# KiCad board ECU.kicad_pcb (continued)
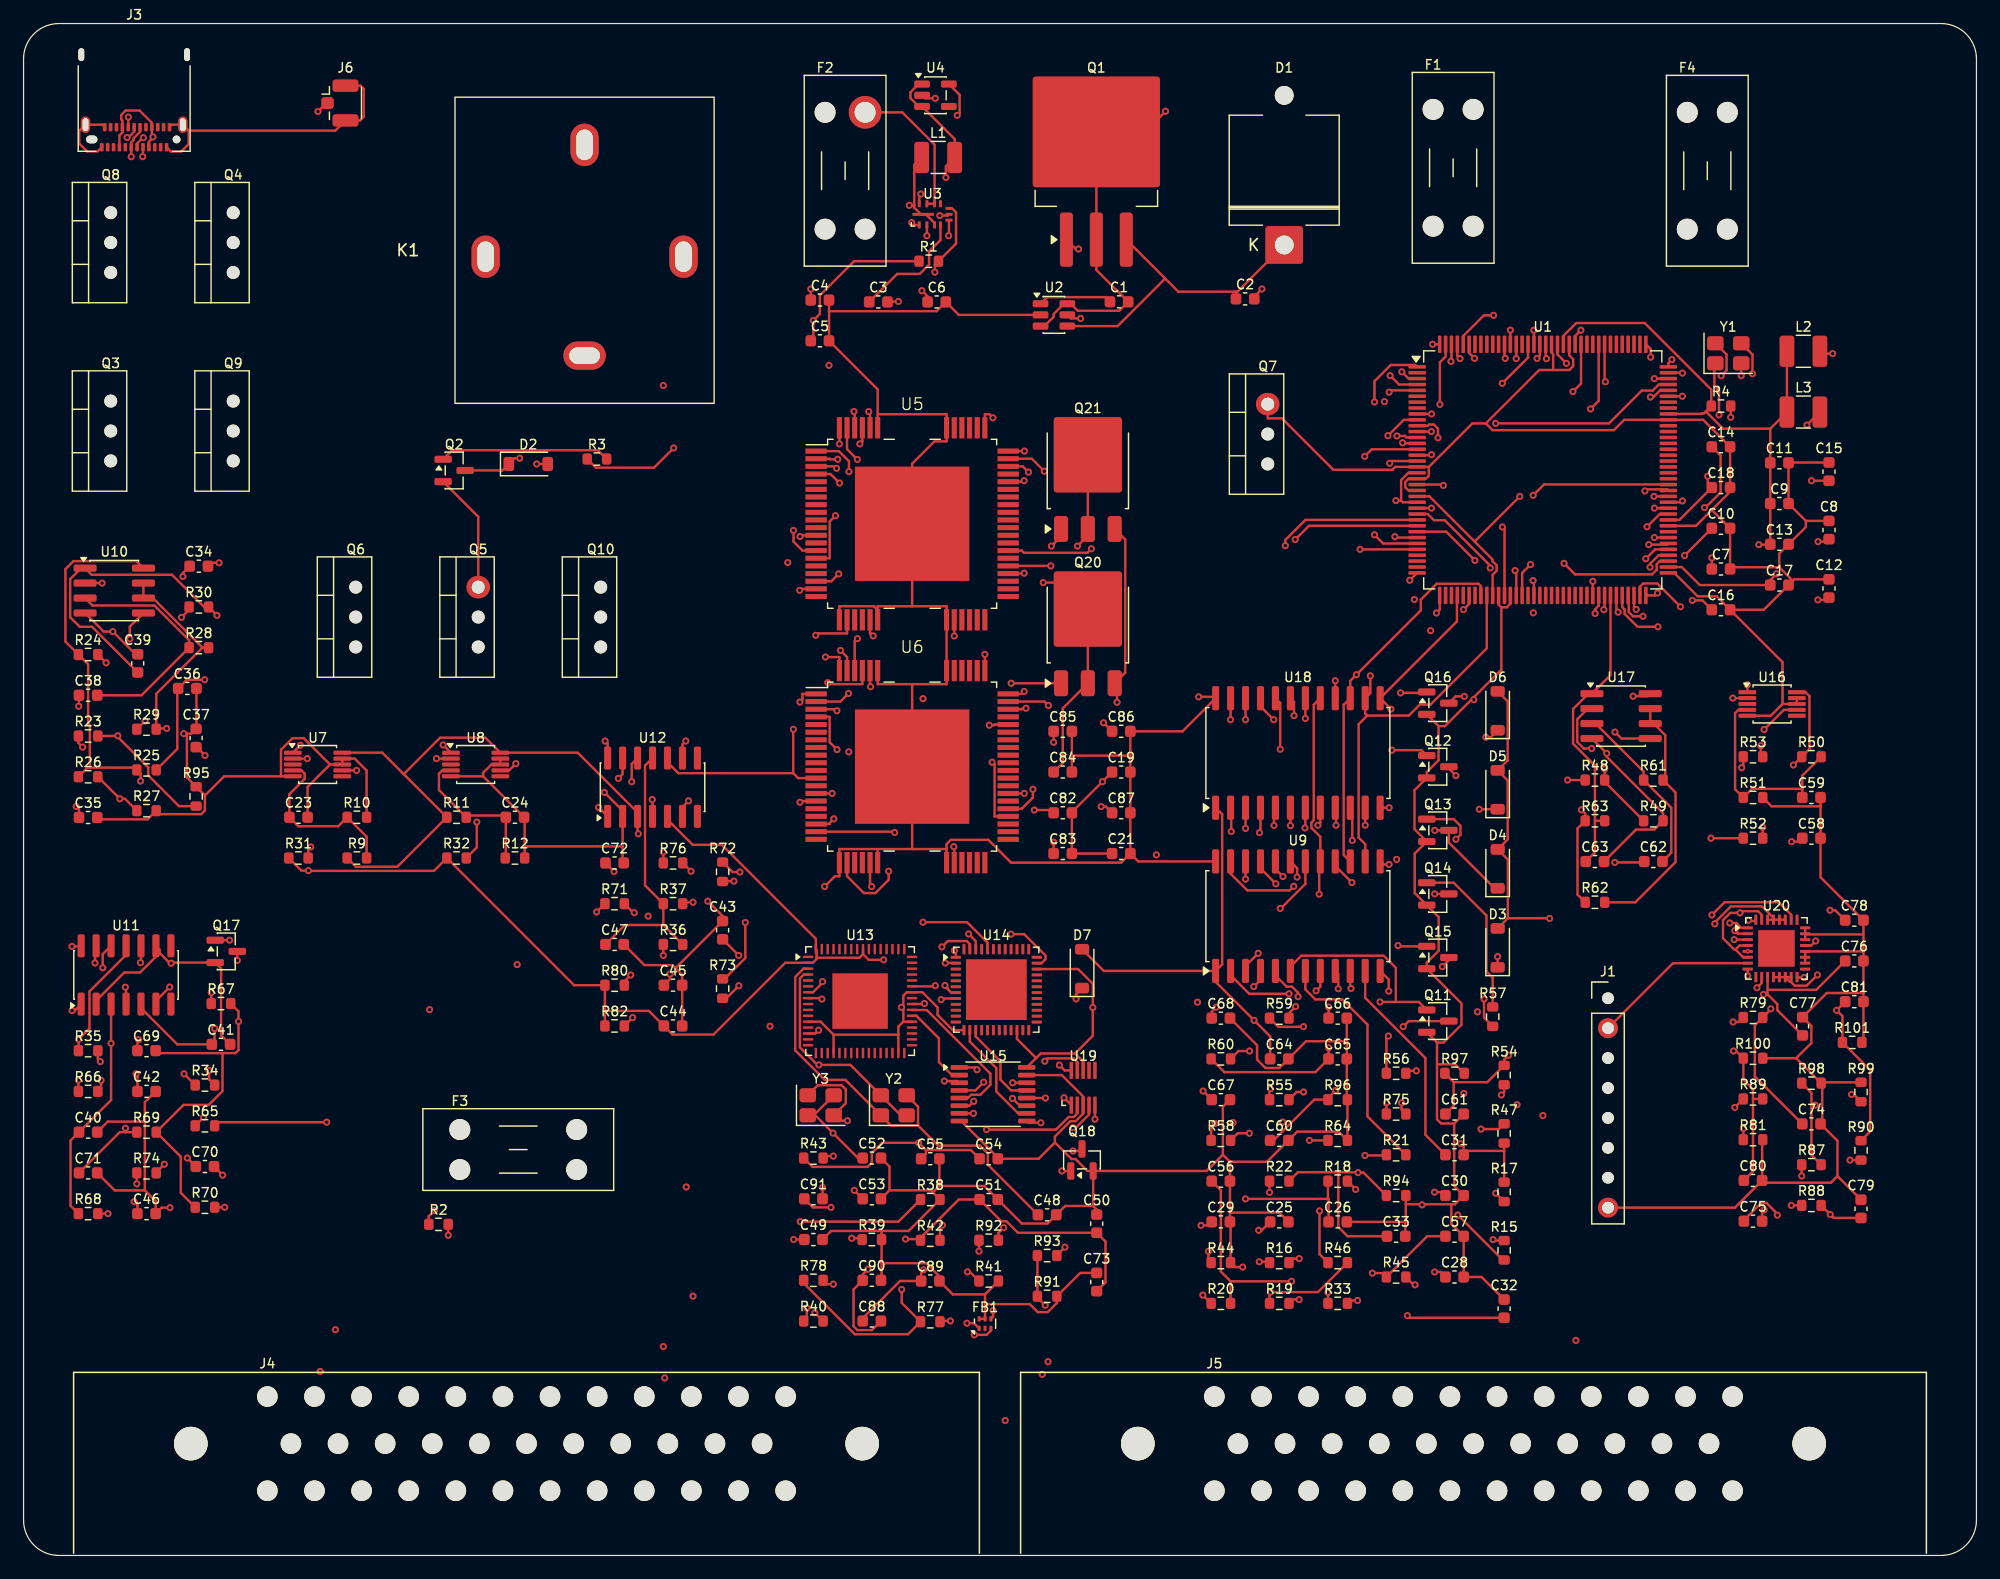
[diagram p0: board, top side]
## Footprints (pads in the part's own frame, mm; a bottom-side part is the same pattern mirrored in y, then rotated)
Balun_Johanson_1.6x0.8mm
  rrect 0.45x0.25 smd: 1(-0.41,0.5) 2(-0.41,0) 3(-0.41,-0.5) 4(0.41,-0.5) 5(0.41,0) 6(0.41,0.5)
C_0603_1608Metric
  rrect 0.9x0.95 smd: 1(-0.775,0) 2(0.775,0)
Crystal_SMD_3225-4Pin_3.2x2.5mm
  rrect 1.4x1.2 smd: 1(-1.1,-0.85) 2(1.1,-0.85) 3(1.1,0.85) 4(-1.1,0.85)
D_P600_R-6_P12.70mm_Horizontal
  rrect 3.2x3.2 hole 1.6: 1(0,0)
  round 3.2 hole 1.6: 2(12.7,0)
D_SOD-123
  rrect 0.9x1.2 smd: 1(-1.65,0) 2(1.65,0)
Fuseholder_Blade_Mini_Keystone_3568
  round 2.78 hole 1.78: 1(0,0) 1(0,-3.4) 2(9.92,0) 2(9.92,-3.4)
L9779WD-SPI
  rect 1.803x0.432 smd: 1(-8.153,6.175) 2(-8.153,5.525) 3(-8.153,4.875) 4(-8.153,4.225) 5(-8.153,3.575) 6(-8.153,2.925) 7(-8.153,2.275) 8(-8.153,1.625) 9(-8.153,0.975) 10(-8.153,0.325) 11(-8.153,-0.325) 12(-8.153,-0.975) 13(-8.153,-1.625) 14(-8.153,-2.275) 15(-8.153,-2.925) 16(-8.153,-3.575) 17(-8.153,-4.225) 18(-8.153,-4.875) 19(-8.153,-5.525) 20(-8.153,-6.175) 33(8.153,-6.175) 34(8.153,-5.525) 35(8.153,-4.875) 36(8.153,-4.225) 37(8.153,-3.575) 38(8.153,-2.925) 39(8.153,-2.275) 40(8.153,-1.625) 41(8.153,-0.975) 42(8.153,-0.325) 43(8.153,0.325) 44(8.153,0.975) 45(8.153,1.625) 46(8.153,2.275) 47(8.153,2.925) 48(8.153,3.575) 49(8.153,4.225) 50(8.153,4.875) 51(8.153,5.525) 52(8.153,6.175)
  rect 0.432x1.803 smd: 21(-6.175,-8.153) 22(-5.525,-8.153) 23(-4.875,-8.153) 24(-4.225,-8.153) 25(-3.575,-8.153) 26(-2.925,-8.153) 27(2.925,-8.153) 28(3.575,-8.153) 29(4.225,-8.153) 30(4.875,-8.153) 31(5.525,-8.153) 32(6.175,-8.153) 53(6.175,8.153) 54(5.525,8.153) 55(4.875,8.153) 56(4.225,8.153) 57(3.575,8.153) 58(2.925,8.153) 59(-2.925,8.153) 60(-3.575,8.153) 61(-4.225,8.153) 62(-4.875,8.153) 63(-5.525,8.153) 64(-6.175,8.153)
  rect 9.703x9.703 smd: EPAD(0,0)
L_1210_3225Metric
  rrect 1.25x2.65 smd: 1(-1.4,0) 2(1.4,0)
LQFP-144_20x20mm_P0.5mm
  rrect 1.475x0.3 smd: 1(-10.662,8.75) 2(-10.662,8.25) 3(-10.662,7.75) 4(-10.662,7.25) 5(-10.662,6.75) 6(-10.662,6.25) 7(-10.662,5.75) 8(-10.662,5.25) 9(-10.662,4.75) 10(-10.662,4.25) 11(-10.662,3.75) 12(-10.662,3.25) 13(-10.662,2.75) 14(-10.662,2.25) 15(-10.662,1.75) 16(-10.662,1.25) 17(-10.662,0.75) 18(-10.662,0.25) 19(-10.662,-0.25) 20(-10.662,-0.75) 21(-10.662,-1.25) 22(-10.662,-1.75) 23(-10.662,-2.25) 24(-10.662,-2.75) 25(-10.662,-3.25) 26(-10.662,-3.75) 27(-10.662,-4.25) 28(-10.662,-4.75) 29(-10.662,-5.25) 30(-10.662,-5.75) 31(-10.662,-6.25) 32(-10.662,-6.75) 33(-10.662,-7.25) 34(-10.662,-7.75) 35(-10.662,-8.25) 36(-10.662,-8.75) 73(10.662,-8.75) 74(10.662,-8.25) 75(10.662,-7.75) 76(10.662,-7.25) 77(10.662,-6.75) 78(10.662,-6.25) 79(10.662,-5.75) 80(10.662,-5.25) 81(10.662,-4.75) 82(10.662,-4.25) 83(10.662,-3.75) 84(10.662,-3.25) 85(10.662,-2.75) 86(10.662,-2.25) 87(10.662,-1.75) 88(10.662,-1.25) 89(10.662,-0.75) 90(10.662,-0.25) 91(10.662,0.25) 92(10.662,0.75) 93(10.662,1.25) 94(10.662,1.75) 95(10.662,2.25) 96(10.662,2.75) 97(10.662,3.25) 98(10.662,3.75) 99(10.662,4.25) 100(10.662,4.75) 101(10.662,5.25) 102(10.662,5.75) 103(10.662,6.25) 104(10.662,6.75) 105(10.662,7.25) 106(10.662,7.75) 107(10.662,8.25) 108(10.662,8.75)
  rrect 0.3x1.475 smd: 37(-8.75,-10.662) 38(-8.25,-10.662) 39(-7.75,-10.662) 40(-7.25,-10.662) 41(-6.75,-10.662) 42(-6.25,-10.662) 43(-5.75,-10.662) 44(-5.25,-10.662) 45(-4.75,-10.662) 46(-4.25,-10.662) 47(-3.75,-10.662) 48(-3.25,-10.662) 49(-2.75,-10.662) 50(-2.25,-10.662) 51(-1.75,-10.662) 52(-1.25,-10.662) 53(-0.75,-10.662) 54(-0.25,-10.662) 55(0.25,-10.662) 56(0.75,-10.662) 57(1.25,-10.662) 58(1.75,-10.662) 59(2.25,-10.662) 60(2.75,-10.662) 61(3.25,-10.662) 62(3.75,-10.662) 63(4.25,-10.662) 64(4.75,-10.662) 65(5.25,-10.662) 66(5.75,-10.662) 67(6.25,-10.662) 68(6.75,-10.662) 69(7.25,-10.662) 70(7.75,-10.662) 71(8.25,-10.662) 72(8.75,-10.662) 109(8.75,10.662) 110(8.25,10.662) 111(7.75,10.662) 112(7.25,10.662) 113(6.75,10.662) 114(6.25,10.662) 115(5.75,10.662) 116(5.25,10.662) 117(4.75,10.662) 118(4.25,10.662) 119(3.75,10.662) 120(3.25,10.662) 121(2.75,10.662) 122(2.25,10.662) 123(1.75,10.662) 124(1.25,10.662) 125(0.75,10.662) 126(0.25,10.662) 127(-0.25,10.662) 128(-0.75,10.662) 129(-1.25,10.662) 130(-1.75,10.662) 131(-2.25,10.662) 132(-2.75,10.662) 133(-3.25,10.662) 134(-3.75,10.662) 135(-4.25,10.662) 136(-4.75,10.662) 137(-5.25,10.662) 138(-5.75,10.662) 139(-6.25,10.662) 140(-6.75,10.662) 141(-7.25,10.662) 142(-7.75,10.662) 143(-8.25,10.662) 144(-8.75,10.662)
MSOP-10_3x3mm_P0.5mm
  rrect 1.5x0.35 smd: 1(-2.1,1) 2(-2.1,0.5) 3(-2.1,0) 4(-2.1,-0.5) 5(-2.1,-1) 6(2.1,-1) 7(2.1,-0.5) 8(2.1,0) 9(2.1,0.5) 10(2.1,1)
Panasonic_CB1a-T-P_Relay_40A
  oval 3.6x2.4 hole 2.6x1.4: 30(8.95,0) 85(-0.55,-8.4) 86(-0.55,8.4)
  oval 2.4x3.6 hole 1.4x2.6: 87(-8.95,0)
PinHeader_1x08_P2.54mm_Vertical
  rect 1.7x1.7 hole 1: 1(0,0)
  round 1.7 hole 1: 2(0,-2.54) 3(0,-5.08) 4(0,-7.62) 5(0,-10.16) 6(0,-12.7) 7(0,-15.24) 8(0,-17.78)
QFN-32-1EP_5x5mm_P0.5mm_EP3.1x3.1mm
  rrect 0.83x0.83 smd: (-1.03,1.03) (-1.03,0) (-1.03,-1.03) (0,1.03) (0,0) (0,-1.03) (1.03,1.03) (1.03,0) (1.03,-1.03)
  rrect 0.875x0.25 smd: 1(-2.438,1.75) 2(-2.438,1.25) 3(-2.438,0.75) 4(-2.438,0.25) 5(-2.438,-0.25) 6(-2.438,-0.75) 7(-2.438,-1.25) 8(-2.438,-1.75) 17(2.438,-1.75) 18(2.438,-1.25) 19(2.438,-0.75) 20(2.438,-0.25) 21(2.438,0.25) 22(2.438,0.75) 23(2.438,1.25) 24(2.438,1.75)
  rrect 0.25x0.875 smd: 9(-1.75,-2.438) 10(-1.25,-2.438) 11(-0.75,-2.438) 12(-0.25,-2.438) 13(0.25,-2.438) 14(0.75,-2.438) 15(1.25,-2.438) 16(1.75,-2.438) 25(1.75,2.438) 26(1.25,2.438) 27(0.75,2.438) 28(0.25,2.438) 29(-0.25,2.438) 30(-0.75,2.438) 31(-1.25,2.438) 32(-1.75,2.438)
  rect 3.1x3.1 smd: 33(0,0)
QFN-48-1EP_7x7mm_P0.5mm_EP5.15x5.15mm
  rrect 1.04x1.04 smd: (-1.935,1.935) (-1.935,0.645) (-1.935,-0.645) (-1.935,-1.935) (-0.645,1.935) (-0.645,0.645) (-0.645,-0.645) (-0.645,-1.935) (0.645,1.935) (0.645,0.645) (0.645,-0.645) (0.645,-1.935) (1.935,1.935) (1.935,0.645) (1.935,-0.645) (1.935,-1.935)
  rrect 0.875x0.25 smd: 1(-3.438,2.75) 2(-3.438,2.25) 3(-3.438,1.75) 4(-3.438,1.25) 5(-3.438,0.75) 6(-3.438,0.25) 7(-3.438,-0.25) 8(-3.438,-0.75) 9(-3.438,-1.25) 10(-3.438,-1.75) 11(-3.438,-2.25) 12(-3.438,-2.75) 25(3.438,-2.75) 26(3.438,-2.25) 27(3.438,-1.75) 28(3.438,-1.25) 29(3.438,-0.75) 30(3.438,-0.25) 31(3.438,0.25) 32(3.438,0.75) 33(3.438,1.25) 34(3.438,1.75) 35(3.438,2.25) 36(3.438,2.75)
  rrect 0.25x0.875 smd: 13(-2.75,-3.438) 14(-2.25,-3.438) 15(-1.75,-3.438) 16(-1.25,-3.438) 17(-0.75,-3.438) 18(-0.25,-3.438) 19(0.25,-3.438) 20(0.75,-3.438) 21(1.25,-3.438) 22(1.75,-3.438) 23(2.25,-3.438) 24(2.75,-3.438) 37(2.75,3.438) 38(2.25,3.438) 39(1.75,3.438) 40(1.25,3.438) 41(0.75,3.438) 42(0.25,3.438) 43(-0.25,3.438) 44(-0.75,3.438) 45(-1.25,3.438) 46(-1.75,3.438) 47(-2.25,3.438) 48(-2.75,3.438)
  rect 5.15x5.15 smd: 49(0,0)
QFN-64-1EP_9x9mm_P0.5mm_EP4.7x4.7mm
  rrect 1.26x1.26 smd: (-1.57,1.57) (-1.57,0) (-1.57,-1.57) (0,1.57) (0,0) (0,-1.57) (1.57,1.57) (1.57,0) (1.57,-1.57)
  rrect 0.875x0.2 smd: 1(-4.412,3.75) 2(-4.412,3.25) 3(-4.412,2.75) 4(-4.412,2.25) 5(-4.412,1.75) 6(-4.412,1.25) 7(-4.412,0.75) 8(-4.412,0.25) 9(-4.412,-0.25) 10(-4.412,-0.75) 11(-4.412,-1.25) 12(-4.412,-1.75) 13(-4.412,-2.25) 14(-4.412,-2.75) 15(-4.412,-3.25) 16(-4.412,-3.75) 33(4.412,-3.75) 34(4.412,-3.25) 35(4.412,-2.75) 36(4.412,-2.25) 37(4.412,-1.75) 38(4.412,-1.25) 39(4.412,-0.75) 40(4.412,-0.25) 41(4.412,0.25) 42(4.412,0.75) 43(4.412,1.25) 44(4.412,1.75) 45(4.412,2.25) 46(4.412,2.75) 47(4.412,3.25) 48(4.412,3.75)
  rrect 0.2x0.875 smd: 17(-3.75,-4.412) 18(-3.25,-4.412) 19(-2.75,-4.412) 20(-2.25,-4.412) 21(-1.75,-4.412) 22(-1.25,-4.412) 23(-0.75,-4.412) 24(-0.25,-4.412) 25(0.25,-4.412) 26(0.75,-4.412) 27(1.25,-4.412) 28(1.75,-4.412) 29(2.25,-4.412) 30(2.75,-4.412) 31(3.25,-4.412) 32(3.75,-4.412) 49(3.75,4.412) 50(3.25,4.412) 51(2.75,4.412) 52(2.25,4.412) 53(1.75,4.412) 54(1.25,4.412) 55(0.75,4.412) 56(0.25,4.412) 57(-0.25,4.412) 58(-0.75,4.412) 59(-1.25,4.412) 60(-1.75,4.412) 61(-2.25,4.412) 62(-2.75,4.412) 63(-3.25,4.412) 64(-3.75,4.412)
  rect 4.7x4.7 smd: 65(0,0)
R_0603_1608Metric
  rrect 0.8x0.95 smd: 1(-0.825,0) 2(0.825,0)
SOIC-8_3.9x4.9mm_P1.27mm
  rrect 1.95x0.6 smd: 1(-2.475,1.905) 2(-2.475,0.635) 3(-2.475,-0.635) 4(-2.475,-1.905) 5(2.475,-1.905) 6(2.475,-0.635) 7(2.475,0.635) 8(2.475,1.905)
SOIC-14_3.9x8.7mm_P1.27mm
  rrect 1.95x0.6 smd: 1(-2.475,3.81) 2(-2.475,2.54) 3(-2.475,1.27) 4(-2.475,0) 5(-2.475,-1.27) 6(-2.475,-2.54) 7(-2.475,-3.81) 8(2.475,-3.81) 9(2.475,-2.54) 10(2.475,-1.27) 11(2.475,0) 12(2.475,1.27) 13(2.475,2.54) 14(2.475,3.81)
SOIC-24W_7.5x15.4mm_P1.27mm
  rrect 2.05x0.6 smd: 1(-4.65,6.985) 2(-4.65,5.715) 3(-4.65,4.445) 4(-4.65,3.175) 5(-4.65,1.905) 6(-4.65,0.635) 7(-4.65,-0.635) 8(-4.65,-1.905) 9(-4.65,-3.175) 10(-4.65,-4.445) 11(-4.65,-5.715) 12(-4.65,-6.985) 13(4.65,-6.985) 14(4.65,-5.715) 15(4.65,-4.445) 16(4.65,-3.175) 17(4.65,-1.905) 18(4.65,-0.635) 19(4.65,0.635) 20(4.65,1.905) 21(4.65,3.175) 22(4.65,4.445) 23(4.65,5.715) 24(4.65,6.985)
SOT-23
  rrect 1.475x0.6 smd: 1(-0.938,0.95) 2(-0.938,-0.95) 3(0.938,0)
SOT-23-5
  rrect 1.325x0.6 smd: 1(-1.137,0.95) 2(-1.137,0) 3(-1.137,-0.95) 4(1.137,-0.95) 5(1.137,0.95)
SOT-23-6
  rrect 1.325x0.6 smd: 1(-1.137,0.95) 2(-1.137,0) 3(-1.137,-0.95) 4(1.137,-0.95) 5(1.137,0) 6(1.137,0.95)
TE_1-776180-1
  round 2.85 hole 2.85 unplated: (-6.5,-4) (50.5,-4)
  rect 2.625x2.625 hole 1.75: 1(0,0)
  round 2.625 hole 1.75: 2(4,0) 3(8,0) 4(12,0) 5(16,0) 6(20,0) 7(24,0) 8(28,0) 9(32,0) 10(36,0) 11(40,0) 12(44,0) 13(2,-4) 14(6,-4) 15(10,-4) 16(14,-4) 17(18,-4) 18(22,-4) 19(26,-4) 20(30,-4) 21(34,-4) 22(38,-4) 23(42,-4) 24(0,-8) 25(4,-8) 26(8,-8) 27(12,-8) 28(16,-8) 29(20,-8) 30(24,-8) 31(28,-8) 32(32,-8) 33(36,-8) 34(40,-8) 35(44,-8)
TI_DGS0010A_VSSOP-10_3x3mm_P0.5mm
  rrect 1.45x0.3 smd: 1(-1.475,1) 2(-1.475,0.5) 3(-1.475,0) 4(-1.475,-0.5) 5(-1.475,-1) 6(1.475,-1) 7(1.475,-0.5) 8(1.475,0) 9(1.475,0.5) 10(1.475,1)
TI_RNX0012C_VQFN-HR-12_2x3mm_P0.5mm
  rrect 0.6x0.25 smd: 1(-0.9,1.126) 2(-0.9,0.475) 3(-0.9,-0.175) 4(-0.9,-0.675) 8(0.9,-0.675) 9(0.9,-0.175) 10(0.9,0.475) 11(0.9,1.126)
  rrect 0.25x0.6 smd: 5(-0.5,-1.4) 6(0,-1.4) 7(0.5,-1.4)
  rrect 0.25x1.826 smd: 12(0,0.788)
TO-220-3_Vertical
  rect 1.905x2 hole 1.1: 1(0,0)
  oval 1.905x2 hole 1.1: 2(2.54,0) 3(5.08,0)
TO-252-3_TabPin2
  rrect 3.05x2.75 smd: (-0.415,1.525) (-0.415,-1.525) (2.935,1.525) (2.935,-1.525)
  rrect 2.2x1.2 smd: 1(-5.04,2.28) 2(-5.04,0) 3(-5.04,-2.28)
  rrect 6.4x5.8 smd: 2(1.26,0)
TO-263-3_TabPin2
  rrect 4.55x5.25 smd: (-0.925,2.775) (-0.925,-2.775) (3.925,2.775) (3.925,-2.775)
  rrect 4.6x1.1 smd: 1(-7.65,2.54) 2(-7.65,0) 3(-7.65,-2.54)
  rrect 9.4x10.8 smd: 2(1.5,0)
TSSOP-16_4.4x5mm_P0.65mm
  rrect 1.475x0.4 smd: 1(-2.862,2.275) 2(-2.862,1.625) 3(-2.862,0.975) 4(-2.862,0.325) 5(-2.862,-0.325) 6(-2.862,-0.975) 7(-2.862,-1.625) 8(-2.862,-2.275) 9(2.862,-2.275) 10(2.862,-1.625) 11(2.862,-0.975) 12(2.862,-0.325) 13(2.862,0.325) 14(2.862,0.975) 15(2.862,1.625) 16(2.862,2.275)
U.FL_Hirose_U.FL-R-SMT-1_Vertical
  rrect 1.05x1 smd: 1(-1.525,0)
  rrect 2.2x1.05 smd: 2(0,1.475) 2(0,-1.475)
USB_C_Receptacle_Amphenol_12401610E4-2A
  round 0.65 hole 0.65 unplated: (-3.6,4.36)
  oval 0.95x0.65 hole 0.95x0.65 unplated: (3.6,4.36)
  rrect 0.3x0.7 smd: A1(-2.75,5.02) A2(-2.25,5.02) A3(-1.75,5.02) A4(-1.25,5.02) A5(-0.75,5.02) A6(-0.25,5.02) A7(0.25,5.02) A8(0.75,5.02) A9(1.25,5.02) A10(1.75,5.02) A11(2.25,5.02) A12(2.75,5.02) B1(2.5,3.32) B2(2,3.32) B3(1.5,3.32) B4(1,3.32) B5(0.5,3.32) B6(0,3.32) B7(-0.5,3.32) B8(-1,3.32) B9(-1.5,3.32) B10(-2,3.32) B11(-2.5,3.32) B12(-3,3.32)
  oval 0.8x1.4 hole 0.5x1.1: SH(-4.49,-2.84) SH(-4.13,3.11) SH(4.13,3.11) SH(4.49,-2.84)

## Nets
+3V3: C6.1 C9.1 C10.1 C11.1 C12.1 C13.1 C41.1 C44.1 C50.1 C51.1 C54.1 C55.1 C73.1 J1.1 L2.1 L3.1 R4.1 R24.1 R25.1 R26.1 R31.1 R32.1 R42.1 R43.1 R52.1 R77.1 R78.1 R80.1 R82.1 U1.19 U1.24 U1.51 U1.100 U1.123 U4.5 U10.8 U11.5 U12.5 U13.2 U13.12 U13.20 U13.31 U13.37 U13.42 U13.56 U13.64 U14.13 U14.22 U14.34 U14.44 U15.16 U17.8 U19.8
+5V: C5.1 C26.1 C40.1 C43.1 C65.1 J4.33 J5.1 L1.2 R1.1 R9.1 R11.1 R18.1 R50.1 R60.1 R68.1 U4.1 U4.3 U7.10 U8.10 U9.17 U11.3 U12.3 U16.10 U18.17
GND: C2.2 C4.2 C5.2 C6.2 C7.2 C8.2 C9.2 C10.2 C11.2 C12.2 C13.2 C14.2 C15.2 C16.2 C17.2 C18.2 C19.2 C21.2 C23.2 C24.2 C25.2 C26.2 C28.2 C29.2 C30.2 C32.2 C33.2 C34.2 C35.2 C36.2 C37.2 C39.2 C40.2 C41.2 C42.2 C43.2 C44.2 C45.2 C46.2 C47.2 C48.2 C49.2 C50.2 C51.2 C52.2 C53.2 C54.2 C55.2 C56.2 C57.2 C58.2 C59.2 C60.2 C61.2 C63.2 C64.2 C65.2 C66.2 C67.2 C68.2 C70.2 C71.2 C72.2 C73.2 C74.2 C76.2 C77.2 C78.2 C79.2 C80.2 C81.2 C84.2 C85.2 C86.2 C87.2 C89.2 C90.2 D1.2 FB1.5 FB1.6 J1.2 J1.8 J3.A1 J3.A12 J3.B1 J3.B12 J3.SH J4.2 J4.3 J5.2 J6.2 Q2.2 Q3.3 Q4.3 Q5.3 Q6.3 Q7.3 Q8.3 Q9.3 Q10.3 Q11.2 Q12.2 Q13.2 Q14.2 Q15.2 Q16.2 Q17.2 Q18.2 R2.2 R10.2 R12.2 R27.2 R38.2 R39.2 R41.2 R44.2 R49.2 R51.2 R64.2 R81.2 R91.2 R94.2 R95.2 R96.2 R97.2 R98.2 R99.2 R100.2 R101.2 U1.18 U1.20 U1.22 U1.47 U1.49 U1.73 U1.81 U1.99 U1.122 U1.125 U2.2 U3.1 U3.6 U3.11 U4.2 U5.21 U5.26 U5.27 U5.58 U5.59 U5.EPAD U6.21 U6.26 U6.27 U6.58 U6.59 U6.EPAD U7.5 U7.8 U7.9 U8.5 U8.8 U8.9 U9.24 U10.4 U11.2 U11.9 U12.2 U12.9 U15.8 U15.15 U16.5 U16.8 U16.9 U17.4 U18.24 U19.3 U20.3 U20.5 U20.7 U20.18 U20.19 U20.20 U20.22 U20.23 U20.24
VBATT_ADC: C58.1 R48.2 R49.1 U1.63
VBATT_IGN: F4.2 J4.13
VBATT_INJ: F3.2 J4.4
VBATT_SW: C25.1 C64.1 C75.2 C76.1 C77.1 D3.2 D4.2 D5.2 D6.2 D7.2 F3.1 F4.1 J5.14 K1.87 U9.1 U18.1 U20.4 U20.6 U20.11 U20.31
VCC_INT: C4.1 U3.5
VDD_ADC0: C17.1 L2.2 U1.74
VDD_ADC1: C18.1 L3.2 U1.82
VDD_LV_DECOUP: C14.1 C15.1 C16.1 U1.23 U1.46 U1.124
VIN: F1.1 J4.1
VIN_FUSED: C1.2 F1.2 Q1.2 U2.3 U2.6
VIN_LOGIC: F2.2 U3.2 U3.9 U3.10
VIN_PROT: C2.1 C19.1 C21.1 C42.1 C45.1 C82.2 C83.2 D1.1 D2.2 F2.1 K1.30 K1.86 Q1.3 Q20.3 Q21.3 R48.1 U2.4 U5.12 U6.12 U11.10 U12.10
APP1_ADC: C78.1 R87.2 R98.1 U1.68
APP1_SIG: J5.31 R87.1
APP2_ADC: C79.1 R88.2 R99.1 U1.69
APP2_SIG: J5.32 R88.1
BLE_ABS: U14.15 U15.13
BLE_ANT: C91.2 J6.1
BLE_FAB: U14.14 U15.10
BLE_OSC_A: C52.1 U14.46 Y3.1 Y3.3
BLE_OSC_B: C53.1 U14.47 Y3.2 Y3.4
BLE_RESET_N: R43.2 U14.35
BLE_RF_N: FB1.3 U14.2
BLE_RF_OUT: C91.1 FB1.1
BLE_RF_P: FB1.4 U14.1
BLE_RXD: U14.8 U15.6
BLE_TXD: U14.7 U15.3
BOOST_CTRL: R76.1 U1.109
BOOST_GATE: Q18.1 R76.2
BOOST_OUT: D7.1 J4.32 Q18.3
BOOT_ABS: U1.105 U15.12
BOOT_CAP: C3.1 U3.4
BOOT_FAB: U1.106 U15.9
CAM2_BIAS: C59.1 R50.2 R51.1 U16.4
CAM2_COUT: R52.2 U1.128 U16.7
CAM2_VR_HI: J4.26 U16.1
CAM2_VR_LO: J4.27 U16.2
CAM_BIAS: C24.1 R11.2 R12.1 U8.4
CAM_COUT: R32.2 U1.11 U8.7
CAM_VR_HI: J4.24 U8.1
CAM_VR_LO: J4.25 U8.2
CAN0_EN: U1.14 U11.6
CAN0_H: J5.15 R34.1 U11.13
CAN0_L: J5.16 R35.2 U11.12
CAN0_RX: U1.27 U11.4
CAN0_SPLIT: C46.1 R34.2 R35.1 U11.11
CAN0_STB_N: U1.15 U11.14
CAN0_TX: U1.28 U11.1
CAN1_EN: U1.16 U12.6
CAN1_H: J5.17 R36.1 U12.13
CAN1_L: J5.18 R37.2 U12.12
CAN1_RX: U1.116 U12.4
CAN1_SPLIT: C47.1 R36.2 R37.1 U12.11
CAN1_STB_N: U1.17 U12.14
CAN1_TX: U1.117 U12.1
CJ2_CF: C67.1 R65.2 U18.22
CJ2_CM: C69.1 U18.11
CJ2_OSZ: R64.1 U18.5
CJ2_RF: R65.1 U18.23
CJ2_RM: R67.1 U18.10
CJ2_RST_N: C70.1 R68.2 U18.8
CJ2_UA: C66.1 U18.21
CJ2_UN: C71.1 R69.1 U18.2
CJ2_UR: C68.1 U18.12
CJ_CF: C29.1 R15.2 U9.22
CJ_CM: C31.1 U9.11
CJ_OSZ: R44.1 U9.5
CJ_RF: R15.1 U9.23
CJ_RM: R17.1 U9.10
CJ_RST_N: C32.1 R18.2 U9.8
CJ_UA: C28.1 U9.21
CJ_UN: C57.1 R45.1 U9.2
CJ_UR: C30.1 U9.12
CLT_ADC: C36.1 J5.6 R25.2 U1.77
CRANK_BIAS: C23.1 R9.2 R10.1 U7.4
CRANK_COUT: R31.2 U1.42 U7.7
CRANK_VR_HI: J4.22 U7.1
CRANK_VR_LO: J4.23 U7.2
EGT_AIN0: C88.1 C89.1 R92.2 U19.4
EGT_AIN1: C88.2 C90.1 R93.2 U19.5
EGT_TC_M: J5.34 R91.1 R93.1
EGT_TC_P: J5.33 R78.2 R92.1
ETC_CCP: C75.1 U20.32
ETC_D1: U1.25 U20.26
ETC_D2: U1.26 U20.16
ETC_EN: U1.29 U20.10
ETC_IFB_ADC: R81.1 U1.79 U20.8
ETC_IN1: U1.139 U20.2
ETC_IN2: U1.140 U20.1
ETC_MOTOR_A: J4.30 U20.12 U20.13 U20.14 U20.15
ETC_MOTOR_B: J4.31 U20.27 U20.28 U20.29 U20.30
ETC_SF_N: R82.2 U1.30 U20.21
EXTAL: U1.50 Y1.1
FB: R1.2 R2.1 U3.7
FLEXFUEL_SIG: C74.1 R79.2 R80.2 U1.103
FLEXFUEL_SIG_RAW: J5.35 R79.1
FPUMP_CTRL: R58.1 U1.67
FPUMP_GATE: Q15.1 R58.2
FPUMP_OUT: D6.1 J5.29 Q15.3
FT_DTR_N: U13.43 U15.14
FT_OSC_A: C48.1 U13.3 Y2.1 Y2.3
FT_OSC_B: C49.1 U13.4 Y2.2 Y2.4
FT_RESET_N: R42.2 U13.14
FT_RTS_N: U13.40 U15.11
FT_RXD: U13.39 U15.5
FT_TXD: U13.38 U15.2
FUELP_ADC: C61.1 R54.2 R97.1 U1.65
FUELP_SIG: J5.19 R54.1
GATE_DRV1: Q1.1 U2.5
HTR2_CTRL: R75.1 U1.88
HTR2_DRAIN: J5.25 Q17.3 R74.1
HTR2_DRAIN_SENSE: R74.2 U18.7
HTR2_GATE: Q17.1 R75.2 U18.6
HTR_CTRL: R33.1 U1.12
HTR_DRAIN: J5.13 Q11.3 R21.1
HTR_DRAIN_SENSE: R21.2 U9.7
HTR_GATE: Q11.1 R33.2 U9.6
IAT_ADC: C35.1 J5.5 R24.2 U1.76
IDLE_CTRL: R57.1 U1.133
IDLE_GATE: Q14.1 R57.2
IDLE_OUT: D5.1 J5.28 Q14.3
IGN1_COIL: J4.14 Q3.2
IGN1_CTRL: U1.143 U5.19
IGN1_GATE: Q3.1 U5.22
IGN2_COIL: J4.15 Q4.2
IGN2_CTRL: U1.141 U5.18
IGN2_GATE: Q4.1 U5.62
IGN3_COIL: J4.16 Q5.2
IGN3_CTRL: U1.142 U5.15
IGN3_GATE: Q5.1 U5.63
IGN4_COIL: J4.17 Q6.2
IGN4_CTRL: U1.3 U5.14
IGN4_GATE: Q6.1 U5.64
IGN5_COIL: J4.18 Q7.2
IGN5_CTRL: U1.4 U6.19
IGN5_GATE: Q7.1 U6.22
IGN6_COIL: J4.19 Q8.2
IGN6_CTRL: U1.36 U6.18
IGN6_GATE: Q8.1 U6.62
IGN7_COIL: J4.20 Q9.2
IGN7_CTRL: U1.37 U6.15
IGN7_GATE: Q9.1 U6.63
IGN8_COIL: J4.21 Q10.2
IGN8_CTRL: U1.131 U6.14
IGN8_GATE: Q10.1 U6.64
INJ1_CTRL: U1.104 U5.39
INJ1_LO: J4.5 U5.60
INJ2_CTRL: U1.107 U5.48
INJ2_LO: J4.6 U5.61
INJ3_CTRL: U1.108 U5.37
INJ3_LO: J4.7 U5.25
INJ4_CTRL: U1.31 U5.36
INJ4_LO: J4.8 U5.28
INJ5_CTRL: U1.32 U6.39
INJ5_LO: J4.9 U6.60
INJ6_CTRL: U1.83 U6.48
INJ6_LO: J4.10 U6.61
INJ7_CTRL: U1.85 U6.37
INJ7_LO: J4.11 U6.25
INJ8_CTRL: U1.87 U6.36
INJ8_LO: J4.12 U6.28
JTAG_TCK: J1.3 U1.127
JTAG_TDI: J1.5 U1.126
JTAG_TDO: J1.6 U1.121
JTAG_TMS: J1.4 U1.120
KNOCK2_ADC: C63.1 R63.2 U1.66 U17.1
KNOCK2_BIAS: C62.2 R61.1 U17.3
KNOCK2_FB: R62.1 R63.1 U17.2
KNOCK2_MID: R61.2 R62.2 U17.6 U17.7
KNOCK2_SIG: C62.1 J5.20
KNOCK_ADC: C39.1 R30.2 U1.53 U10.1
KNOCK_BIAS: C38.2 R28.1 U10.3
KNOCK_FB: R29.1 R30.1 U10.2
KNOCK_MID: R28.2 R29.2 U10.6 U10.7 U17.5
KNOCK_MID_RAW: C37.1 R26.2 R27.1 U10.5
KNOCK_SIG: C38.1 J5.7
L9779_CP_0: C82.1 U5.1
L9779_CP_1: C83.1 U6.1
L9779_V3V3_0: C86.1 U5.4
L9779_V3V3_1: C87.1 U6.4
L9779_VDD5_0: C84.1 Q20.2 U5.3
L9779_VDD5_1: C85.1 Q21.2 U6.3
L9779_VDDG_0: Q20.1 U5.2
L9779_VDDG_1: Q21.1 U6.2
LIN0_RX: U1.1 U15.4
LIN0_TX: U1.144 U15.7
MAP_ADC: C33.1 R22.2 R94.1 U1.72
MAP_SIG: J5.3 R22.1
MCU_RESET: J1.7 R4.2 U1.21
O2_IA: J5.10 R16.1 U9.4
O2_IP: J5.9 R16.2 R19.2 U9.3
O2_UN: C31.2 C56.1 J5.8 R17.2 R20.2 R45.2 R47.1 U9.9
O2_UP: R19.1 R46.2 R47.2 U9.20
O2_US: R46.1 U9.19
O2_VM: J5.11 R20.1 U9.18
O2B_IA: J5.24 R66.1 U18.4
O2B_IP: J5.23 R66.2 R71.2 U18.3
O2B_UN: C69.2 C72.1 J5.21 R67.2 R69.2 R70.1 R72.2 U18.9
O2B_UP: R70.2 R71.1 R73.2 U18.20
O2B_US: R73.1 U18.19
O2B_VM: J5.22 R72.1 U18.18
OILP_ADC: C60.1 R53.2 R96.1 U1.64
OILP_SIG: J5.12 R53.1
OSC_A: C7.1 Y1.3
OSC_B: C8.1 Y1.4
RELAY_COIL_LO: D2.1 K1.85 Q2.3
RELAY_CTRL: R3.1 U1.5
RELAY_DRV: Q2.1 R3.2
SPI_CS_0: U1.9 U5.53
SPI_CS_1: U1.10 U6.53
SPI_CS_2: U1.13 U9.16
SPI_CS_3: U1.86 U18.16
SPI_CS_EGT: R77.2 U1.78 U19.2
SPI_SCLK: U1.40 U5.51 U6.51 U9.13 U18.13 U19.1
SPI_SI: U1.44 U5.50 U6.50 U9.15 U18.15 U19.10
SPI_SO: U1.45 U5.52 U6.52 U9.14 U18.14 U19.9
SW: C3.2 L1.1 U3.3 U3.12
TACH_CTRL: R59.1 U1.84
TACH_GATE: Q16.1 R59.2
TACH_OUT: J5.30 Q16.3 R60.2
TPS1_ADC: C80.1 R89.2 R100.1 U1.70
TPS1_SIG: J4.28 R89.1
TPS2_ADC: C81.1 R90.2 R101.1 U1.71
TPS2_SIG: J4.29 R90.1
TPS_ADC: C34.1 R23.2 R95.1 U1.75
TPS_SIG: J5.4 R23.1
USB_CC1: J3.A5 R38.1
USB_CC2: J3.B5 R39.1
USB_DM: J3.A7 J3.B7 U13.7
USB_DP: J3.A6 J3.B6 U13.8
USB_PRESENT: R40.2 R41.1 U15.1
USB_VBUS: J3.A4 J3.A9 J3.B4 J3.B9 R40.1
VCAP1: C1.1 U2.1
VVT1_CTRL: R55.1 U1.129
VVT1_GATE: Q12.1 R55.2
VVT1_OUT: D3.1 J5.26 Q12.3
VVT2_CTRL: R56.1 U1.132
VVT2_GATE: Q13.1 R56.2
VVT2_OUT: D4.1 J5.27 Q13.3
XTAL: U1.48 Y1.2

Pads without a net: FB1 2; J3 A2 A3 A8 A10 A11 B2 B3 B8 B10 B11; J4 34 35; U1 2 6 7 8 33 34 35 38 39 41 43 52 54 55 56 57 58 59 60 61 62 80 89 90 91 92 93 94 95 96 97 98 101 102 110 111 112 113 114 115 118 119 130 134 135 136 137 138; U3 8; U4 4; U5 5 6 7 8 9 10 11 13 16 17 20 23 24 29 30 31 32 33 34 35 38 40 41 42 43 44 45 46 47 49 54 55 56 57; U6 5 6 7 8 9 10 11 13 16 17 20 23 24 29 30 31 32 33 34 35 38 40 41 42 43 44 45 46 47 49 54 55 56 57; U7 3 6; U8 3 6; U11 7 8; U12 7 8; U13 1 5 6 9 10 11 13 15 16 17 18 19 21 22 23 24 25 26 27 28 29 30 32 33 34 35 36 41 44 45 46 47 48 49 50 51 52 53 54 55 57 58 59 60 61 62 63 65; U14 3 4 5 6 9 10 11 12 16 17 18 19 20 21 23 24 25 26 27 28 29 30 31 32 33 36 37 38 39 40 41 42 43 45 48 49; U16 3 6; U19 6 7; U20 9 17 25 33

## Via types
v1: diameter 0.6, hole 0.3, Top to Bottom, 515 vias
v2: diameter 0.4, hole 0.15, Top to In1.Cu, 1 via

## Routing (per net, layer and track width the routed paths; a pad name or vN(x,y) marks a point on that pad's centre or on a via; arc(x,y) is an arc through that point)
+3V3: length 596.9
  Top w0.2: U14.34 89.53,49.8 90.78,48.54 v1(90.78,46.52) 90.78,44.13 89.27,42.62 ; C12.1 153.08,81.14 v1(152.33,81.14) ; v1(73.02,50.58) 71.75,50.58 71.27,51.06 ; R52.1 v1(143.26,60.91) ; 67.33,50.75 70.97,50.75 71.27,51.06 ; 67.33,50.75 67.33,51.43 U13.64 67.27,52.36 59.29,60.34 56.81,60.34 54.67,62.49 U12.5 ; 67.33,50.75 67.33,50.65 67.01,50.33 U13.2 64.67,50.33 58.57,44.23 55.1,44.23 53.09,46.24 49.35,46.24 ; 5.63,66.9 5.43,66.9 R26.1 ; 5.63,66.9 5.63,70.49 5.48,70.64 5.48,75.68 R24.1 3.55,77.61 3.55,83.75 4.24,84.44 9.58,84.44 U10.8 ; 5.63,66.9 9.42,66.9 R25.1 9.94,66.38 v1(9.94,65.76) ; v1(76.27,107.4) 76.76,106.91 C6.1 ; 148.29,95.68 C11.1 C9.1 C13.1 148.26,85.83 v1(147.32,85.83) ; 148.29,95.68 L3.1 L2.1 ; 148.29,95.68 144.29,95.68 142.82,97.15 ; U1.123 130.73,103.56 131.82,104.65 137.63,104.65 143.28,99 R4.1 142.82,97.15 ; R78.1 66.23,23.12 70.57,18.78 75.09,18.78 R77.1 74.55,21.45 v1(74.55,22.59) ; 116.95,89.57 116.95,91.32 117.57,91.94 U1.19 ; 116.95,89.57 v1(116.51,89.57) ; 116.95,89.57 117.09,89.44 U1.24 ; 89.27,42.62 89.96,41.94 U19.8 ; 89.27,42.62 86.36,42.62 85.97,42.23 ; 76.61,34.42 76.61,34.09 C55.1 ; 76.61,34.42 80.43,34.42 81.16,33.69 ; 76.61,34.42 v1(76,35.04) 72.89,35.04 72.02,34.17 72.02,33.36 71.66,33 66.98,33 R43.1 ; 68.77,44.22 U13.20 ; 68.77,44.22 67.66,45.33 U13.12 ; 68.77,44.22 74.27,44.22 ; 74.69,45.33 74.69,46.55 ; 74.69,45.33 74.27,44.9 74.27,44.22 ; 74.69,45.33 U13.37 ; 74.69,46.55 v1(74.53,46.55) ; 74.69,46.55 74.69,47.54 74.98,47.83 U13.42 76.31,47.83 77.6,46.54 77.6,45.9 78.9,44.61 U14.13 ; v1(136.65,72.97) 137.89,72.97 138.1,73.18 ; U11.5 9.97,46.49 13.05,43.41 C41.1 16.22,43.64 v1(16.22,44.75) ; v1(127.94,84.15) 127.23,83.43 U1.51 ; 142.82,97.15 142.67,96.99 142.53,96.99 142.48,96.94 U1.100 ; 74.27,44.22 U13.31 ; 85.97,42.23 U15.16 ; 85.97,42.23 84.34,43.86 U14.22 ; C10.1 v1(141.02,84.92) ; 91.11,22.44 91.86,23.19 91.86,26.65 C50.1 84.42,27.4 83.44,28.38 83.01,28.38 81.16,30.23 79.4,30.23 76.16,26.98 R42.1 76.06,26.87 v1(74.88,26.87) ; v1(76.36,53.78) 80.1,53.78 81.84,52.03 U14.44 ; 71.27,51.06 U13.56 ; v1(79.27,122.29) 79.47,122.5 79.47,124.03 U4.5 ; R31.1 23.59,58.15 v1(24.18,58.15) 24.2,58.13 34.84,58.13 R32.1 46.73,48.43 R80.1 49.35,46.24 ; 49.35,46.24 R82.1
  In1.Cu w0.2: v1(127.94,84.15) 122.52,89.57 v1(116.51,89.57) ; v1(79.27,122.29) 79.27,110.09 76.57,107.4 v1(76.27,107.4) 76.27,72.85 v1(76.36,72.76) ; J1.1 134.52,48.42 136.65,50.55 v1(136.65,72.97) ; v1(76,35.04) 74.53,36.5 v1(74.53,46.55)
  In2.Cu w0.2: J1.1 125.9,47.32 124.17,45.59 117.9,45.59 117.51,45.98 107.06,45.98 106.7,46.35 101.98,46.35 101.59,45.96 91.34,45.96 v1(90.78,46.52) 90.69,46.61 77.6,46.61 77.31,46.32 74.76,46.32 v1(74.53,46.55)
  In3.Cu w0.2: v1(76,35.04) 74.88,33.92 v1(74.88,26.87) 74.55,26.54 v1(74.55,22.59) ; v1(143.26,60.91) 136.65,67.51 v1(136.65,72.97) 136.65,77.61 140.93,81.89 140.93,84.82 v1(141.02,84.92) ; v1(24.18,58.15) 18.85,52.82 18.82,52.82 ; v1(16.22,44.75) 18.82,47.35 18.82,52.82 ; v1(76.36,72.76) v1(76.36,53.78) 76.36,48.37 v1(74.53,46.55) 74.53,49.06 v1(73.02,50.58) ; v1(9.94,65.76) 9.94,61.71 18.82,52.82
  In4.Cu w0.2: v1(147.32,85.83) 141.94,85.83 v1(141.02,84.92) 140.75,85.19 128.99,85.19 v1(127.94,84.15)
  In5.Cu w0.2: v1(152.33,81.14) 152.01,81.14 v1(147.32,85.83)
+5V: length 474.1
  Top w0.2: R1.1 70.51,109.91 67.61,107.01 67.61,105.44 v1(67.05,104.88) 67.05,103.36 C5.1 ; C26.1 110.79,30.23 110.75,30.28 ; C43.1 60.72,50.96 v1(60.72,50.95) ; v1(150.26,67.12) R50.1 151.62,68.48 151.62,72.96 151.28,73.31 U16.10 ; v1(110,56.16) 110,58.84 U9.17 110.09,61.02 109.34,61.78 109.34,62.24 109.54,62.44 109.54,72.24 U18.17 ; 32.27,66.35 35.37,69.44 39.21,69.44 U8.10 47.05,68.17 52.13,63.09 U12.3 52.13,61.34 v1(52.19,61.28) ; 32.27,66.35 R11.1 31.73,58.48 28.22,58.48 R9.1 ; 32.27,66.35 30.46,68.17 U7.10 ; R60.1 101.95,41.04 109.67,41.04 C65.1 110.79,43.1 v1(110.81,43.11) ; 110.75,30.28 v1(103.74,30.28) ; 110.75,30.28 R18.1 ; U11.3 v1(7.43,43.49) 7.43,38.67 C40.1 3.99,35.23 3.99,29.69 R68.1 ; v1(78.31,117.01) 78.31,117.97 L1.2 79.05,120.28 U4.3 76,123.05 75.3,123.75 75.3,124.25 75.99,124.95 U4.1
  In1.Cu w0.2: J4.33 56.7,11.06 58.58,12.93 58.58,48.81 v1(60.72,50.95)
  In2.Cu w0.2: J4.33 58.32,7.11 86.33,7.11 92.72,13.5 J5.1 ; v1(110,56.16) 111.98,58.13 141.27,58.13 v1(150.26,67.12)
  In3.Cu w0.2: v1(110.81,43.11) 110.55,43.11 103.5,36.06 103.5,30.28 ; v1(67.05,104.88) 67.05,105.71 78.31,116.96 v1(78.31,117.01) ; J5.1 101.1,15.06 101.15,15.11 101.15,27.93 103.5,30.28 ; 103.5,30.28 v1(103.74,30.28)
  In5.Cu w0.2: v1(110,56.16) 110.29,55.86 110.29,47.72 110.22,47.64 110.22,43.7 v1(110.81,43.11) ; v1(52.19,61.28) 52.19,55.34 52.4,55.14 52.4,54.03 55.47,50.95 v1(60.72,50.95) 64.33,54.57 64.33,102.15 v1(67.05,104.88)
  In6.Cu w0.2: v1(7.43,43.49) 10.82,46.88 12.57,46.88 14.14,48.45 58.21,48.45 v1(60.72,50.95)
GND: length 1368.2
  Top w0.2: v1(77.79,113.78) 78.46,113.78 U3.6 ; 151.32,87.85 C9.2 C11.2 149.87,92.81 153.28,92.81 ; 151.32,87.85 151.32,87.34 C13.2 149.06,85.08 149.06,83.92 ; 151.32,87.85 C8.2 ; U12.9 55.94,68.88 v1(56.23,69.16) ; R51.2 148.4,63.62 152.57,63.62 ; 90.81,29.68 91.11,29.38 C50.2 ; 90.81,29.68 88.43,29.68 C48.2 86.94,28.19 84.75,28.19 C51.2 81.56,31.38 77.76,31.38 ; 90.81,29.68 Q18.2 ; 21.86,66.17 21.86,68.42 22.84,69.4 23.79,69.4 26.02,67.17 ; 21.86,66.17 U7.5 ; 21.86,66.17 17.03,66.17 15.4,64.53 ; 50.96,51.89 52.71,50.13 55.09,50.13 55.35,49.87 ; 102.42,33.43 C56.2 102.42,29.11 ; 102.42,33.43 105.57,33.43 C60.2 108.13,35.99 111.65,35.99 R64.2 R96.2 112.34,38.76 C65.2 112.34,43.67 ; 102.42,33.43 101.82,34.03 ; 129.86,100.67 131.24,100.67 131.56,100.99 131.56,101.59 131.23,101.92 U1.122 ; 129.86,100.67 128.68,100.67 124.15,96.13 ; 129.86,100.67 129.86,102.02 129.73,102.15 U1.125 ; 102.42,29.11 106.6,29.11 C25.2 ; 102.42,29.11 C29.2 102.47,28.28 R44.2 102.85,24.49 v1(103.51,24.49) ; C16.2 147.75,80.31 C17.2 150.21,82.77 ; C16.2 143.74,81.45 142.12,81.45 140.14,83.44 U1.73 ; C16.2 149.34,75.85 149.34,72.31 ; 87.56,35.07 88.97,33.66 89.31,33.66 90.32,32.65 Q18.2 ; 87.56,35.07 86.18,33.69 C54.2 82.72,33.78 79.61,36.89 U15.8 ; 87.56,35.07 87.56,35.57 88.87,36.88 89.33,36.88 89.96,37.51 U19.3 89.96,38.97 88.14,40.79 U15.15 ; U3.11 76.04,115.48 v1(76.17,115.61) ; 119.31,92.43 123,96.13 124.15,96.13 ; 119.31,92.43 119.31,91.68 119.06,91.44 U1.20 117.58,91.44 117.31,91.16 117.31,90.71 117.58,90.44 U1.22 ; 119.31,92.43 119.31,92.44 U1.18 116.45,92.44 116.21,92.19 111.2,92.19 106.83,96.56 105.63,96.56 Q7.3 ; 150.21,82.77 150.33,82.89 C12.2 ; 150.21,82.77 149.06,83.92 ; 121.21,29.82 121.21,28.16 C57.2 C28.2 123.78,23.65 C32.2 ; 121.21,29.82 118.73,29.82 ; 121.21,29.82 121.52,29.82 C30.2 121.46,31.37 121.46,36.68 ; 81.63,21.35 85.42,21.35 86.1,20.66 86.95,20.66 87.72,21.44 R91.2 89.71,23.99 C73.2 ; 81.63,21.35 FB1.5 FB1.6 ; 81.63,21.35 81.63,22.17 ; 11.55,51.16 9.89,49.5 8.55,49.5 6.16,47.11 U11.2 ; 11.55,51.16 12.36,50.35 12.53,50.35 ; 11.55,51.16 11.55,51.46 U11.9 ; U6.26 72.52,59.99 ; 72.52,59.99 69.27,59.99 69.27,57.68 68.88,57.68 v1(68.01,56.8) ; 72.52,59.99 75.44,59.99 ; 156.21,47.76 C76.2 156.21,51.3 ; 156.21,47.76 153.09,47.76 C77.2 151.78,44.97 151.78,43.51 150.5,42.23 ; 156.21,47.76 C81.2 156.21,43.7 R101.2 ; 120.13,70.43 Q16.2 ; 120.13,70.43 120.13,67.52 119.13,66.52 Q12.2 118.09,64.99 118.09,61.67 Q13.2 118.11,59.6 118.11,56.25 Q14.2 120.14,54.22 120.14,51.35 119.13,50.34 Q15.2 122.07,46.88 122.07,45.07 120.56,43.56 120,43.56 ; 120.13,70.43 120.67,70.43 123.02,72.78 ; 78.36,59.99 75.44,59.99 ; 78.36,59.99 78.36,58.83 ; 78.36,59.99 78.36,60.4 78.73,60.77 81.91,60.77 83.85,58.83 93.19,58.83 C21.2 ; 75.44,59.99 U6.EPAD 75.44,73.99 ; Q18.2 100.44,32.65 101.82,34.03 ; C80.2 147.6,35.26 R81.2 ; C80.2 145.29,29.54 J1.8 ; C80.2 147.8,31.65 153.44,31.65 154,32.21 ; J1.2 140.04,50.3 U20.7 ; 123.02,72.78 125.46,75.22 125.46,80.51 ; 123.02,72.78 v1(123.13,72.67) ; 120,43.56 Q11.2 ; 120,43.56 120,41.71 ; 77.76,31.38 77.2,30.83 ; 77.76,31.38 77.76,33.69 ; U1.81 141.99,87.44 143.33,88.78 ; 42.55,60.22 42.55,62.64 C24.2 39.02,66.17 ; 42.55,60.22 R12.2 ; 42.55,60.22 50.86,60.22 ; 68.39,105.66 C5.2 72.52,99.02 72.52,96.91 ; 68.39,105.66 C4.2 ; 68.39,105.66 77.52,105.66 C6.2 79.41,105.35 U2.2 ; 156.21,51.3 U20.20 U20.19 U20.18 ; 156.21,51.3 156.21,52.74 ; J6.2 28.61,124.81 28.88,124.54 28.88,122.17 28.57,121.86 J6.2 26.46,120.99 14.02,120.99 ; v1(16.6,84.29) 15.94,84.29 C34.2 ; 75.44,80.61 U5.EPAD 75.44,92.71 77.34,94.61 78.36,94.61 78.36,96.91 72.52,96.91 ; 75.44,80.61 72.52,80.61 72.52,80.25 ; 75.44,80.61 78.36,80.61 78.36,73.99 75.44,73.99 ; U17.4 v1(134.41,68.11) 134.41,67.82 139.2,63.04 R49.2 138.45,61.64 136.9,61.64 C63.2 ; 150.5,42.23 R98.2 152.71,40.11 ; 150.5,42.23 R100.2 ; 72.84,24.82 76.63,24.82 77.76,23.69 77.76,23.31 78.89,22.17 81.63,22.17 ; 72.84,24.82 72.84,23.42 C90.2 ; 72.84,24.82 R39.2 72.84,27.55 ; 72.52,80.25 72.52,80.28 72.19,80.61 69.27,80.61 69.27,79.45 ; 72.52,80.25 U5.26 ; 39.02,66.17 U8.5 ; 39.02,66.17 39.02,66.46 39.72,67.17 U8.8 U8.9 ; R10.2 29.12,66.65 28.11,67.67 U7.9 U7.8 26.02,67.17 ; 77.2,30.83 77.02,31.01 73.52,31.01 ; 77.2,30.83 R38.2 75.13,27.55 72.84,27.55 ; U16.9 U16.8 149.34,72.31 ; C41.2 16.77,44.17 16.77,49.85 Q17.2 12.53,50.35 ; 154,32.21 154,35.21 C74.2 152.71,36.79 152.71,40.11 ; 154,32.21 C79.2 ; 26.02,67.17 24.12,65.26 C23.2 ; 73.52,31.01 73.52,33.02 C52.2 ; 73.52,31.01 C53.2 ; 101.82,34.03 101.82,38.1 C67.2 ; 14.02,120.99 14.02,119.85 13.39,119.22 12.5,119.22 J3.A1 ; 14.02,120.99 J3.SH 12.6,121.5 J3.B12 ; C66.2 112.34,43.67 ; 112.34,43.67 108.88,43.67 C64.2 106.61,41.39 105.44,41.39 104.72,42.11 104.72,43.33 C68.2 ; 117.35,29.82 118.73,29.82 ; 117.35,29.82 117.35,28.38 117.3,28.33 ; 117.35,29.82 R94.2 ; 118.73,29.82 v1(118.73,29.77) ; C42.2 10.3,38.49 10.3,36.84 ; 120,41.71 121.55,41.71 122.32,40.95 ; 120,41.71 120,37.03 120.35,36.68 121.46,36.68 ; 55.35,49.87 59.35,53.87 59.35,54.3 v1(58.09,55.56) ; 55.35,49.87 55.91,49.31 C45.2 C44.2 ; C2.2 104.48,106.9 v1(105.14,107.55) ; 75.44,73.99 72.52,73.99 U6.59 ; 10.3,31 10.3,36.84 ; 10.3,31 7.74,31 C71.2 ; 10.3,31 11.22,30.08 C46.2 11.72,29.53 v1(12.43,29.53) ; 10.3,36.84 7.15,36.84 C40.2 ; 72.52,96.91 U5.59 ; 50.86,60.22 U12.2 50.86,63.25 v1(49.31,64.8) ; 50.86,60.22 50.86,58.9 50.96,58.81 ; J3.A12 6.29,119.23 5.39,119.23 4.72,119.9 4.72,120.96 J3.SH 6.68,121.5 J3.B1 ; U16.5 148.34,71.31 149.34,72.31 ; Q2.2 38.6,88.21 Q5.3 ; 72.84,27.55 68.56,27.55 C49.2 ; 149.06,83.92 145.04,83.92 C7.2 C10.2 143.33,88.78 ; 15.4,64.53 15.4,63.26 15.09,62.95 11.56,62.95 R27.2 10.53,62.51 6.41,62.51 C35.2 ; 15.4,64.53 13.87,66.06 13.87,69.79 ; v1(99.77,72.91) 101.09,72.91 U18.24 98.4,69.99 C86.2 93.97,67.92 ; 124.15,96.13 124.72,95.56 135.02,95.56 135.9,96.44 U1.99 142.59,96.44 C14.2 C18.2 144.89,90.33 143.33,88.78 ; U3.1 75.6,112.99 v1(75.4,113.18) ; C85.2 89.01,67.92 ; 89.01,67.92 93.97,67.92 ; 89.01,67.92 C84.2 ; 81.63,22.17 R41.2 ; U1.49 126.23,80.81 125.93,80.51 125.46,80.51 ; 125.46,80.51 125.23,80.75 U1.47 ; R99.2 152.78,40.18 152.71,40.11 ; U20.3 v1(145.23,52.3) ; U20.24 U20.23 151.26,52.74 ; U9.24 94.64,58.94 C21.2 ; 13.87,69.79 14.25,69.79 C37.2 14.68,70.22 C36.2 ; 13.87,69.79 v1(13.6,69.79) ; 93.97,67.92 C19.2 C87.2 C21.2 ; C26.2 117.3,28.33 ; 117.3,28.33 C33.2 ; C39.2 9.5,76.53 v1(7.58,78.45) 6.8,78.45 5.22,80.03 ; v1(16.91,32.29) C70.2 ; 151.26,52.74 156.21,52.74 ; 151.26,52.74 U20.22 ; 156.21,52.74 C78.2 152.57,57.59 C58.2 152.57,63.62 ; 121.46,36.68 C61.2 ; v1(77.41,123.74) 76.54,123.74 U4.2 ; 152.57,63.62 C59.2 ; 12.53,50.35 v1(12.53,50.29) ; v1(36.06,27.19) R2.2
  In1.Cu w0.2: v1(7.58,78.45) 7.58,75.81 v1(13.6,69.79) ; v1(103.51,24.49) 105.1,22.9 J5.2 ; D1.2 105.17,122.12 105.17,107.55 ; Q7.3 105.63,98.97 105.17,99.43 105.17,107.55 ; 105.17,107.55 v1(105.14,107.55) ; J3.SH 4.9,126.49 5.26,126.13 J3.SH 4.77,121 4.77,117.86 7.4,115.23 Q8.3 7.4,112.82 6.85,112.82 6.15,112.11 6.15,100.48 7.4,99.23 Q3.3 ; J3.SH 13.88,126.49 13.52,126.13 J3.SH ; Q9.3 17.8,96.82 18.25,96.82 28.2,86.87 Q6.3 ; v1(12.53,50.29) 16.91,45.92 v1(16.91,32.29)
  In2.Cu w0.2: v1(49.31,64.8) 49.31,65.61 52.85,69.16 v1(56.23,69.16) ; J3.SH J3.SH ; Q6.3 Q5.3 Q10.3 ; Q8.3 Q4.3 ; J4.3 J4.2 ; Q9.3 Q3.3
  In3.Cu w0.2: J4.3 36.06,20.85 v1(36.06,27.19) ; v1(75.4,113.18) 76,113.78 v1(77.79,113.78) ; J1.8 133.35,30.71 133.35,43.61 J1.2
  In4.Cu w0.2: J1.2 142.04,52.3 v1(145.23,52.3) ; 16.6,82.23 11.35,82.23 v1(7.58,78.45) ; 16.6,82.23 Q6.3 ; 16.6,82.23 v1(16.6,84.29) ; 123.13,72.58 123.03,72.58 122.82,72.36 120.37,72.36 118.89,73.84 114.68,73.84 113.75,72.91 v1(99.77,72.91) ; 123.13,72.58 v1(123.13,72.67) ; 123.13,72.58 129.95,72.58 v1(134.41,68.11) ; v1(58.09,55.56) 66.77,55.56 v1(68.01,56.8) ; v1(16.91,32.29) 30.95,32.29 v1(36.06,27.19)
  In5.Cu w0.2: v1(58.09,55.56) 58.09,67.3 v1(56.23,69.16) 56.23,74.25 49.45,81.02 49,81.02 Q10.3 ; v1(99.77,72.91) 99.77,91.15 105.18,96.56 105.63,96.56 Q7.3 ; 77.41,115.61 v1(76.17,115.61) ; 77.41,115.61 77.41,114.16 v1(77.79,113.78) ; 77.41,115.61 v1(77.41,123.74) ; v1(13.6,69.79) 12.53,68.71 v1(12.53,50.29)
  In6.Cu w0.2: J1.8 134.29,29.77 v1(118.73,29.77) 118.69,29.81 108.83,29.81 v1(103.51,24.49) ; v1(12.43,29.53) 15.2,32.29 v1(16.91,32.29) ; v1(105.14,107.55) 98.91,113.78 v1(77.79,113.78)
  vias: v2(146.38,51.3)
